# Altium PCB QTouch_test1.PcbDoc (part 1 of 2)
Units mm, origin at the board's own origin, x right, y up, seen from the top; angles counter-clockwise.
Board outline 145 x 145 mm, 2 copper layers (Top Layer, Bottom Layer), stack 1.635 mm thick; 121 components, 116 nets, 369 pads, 181 vias.
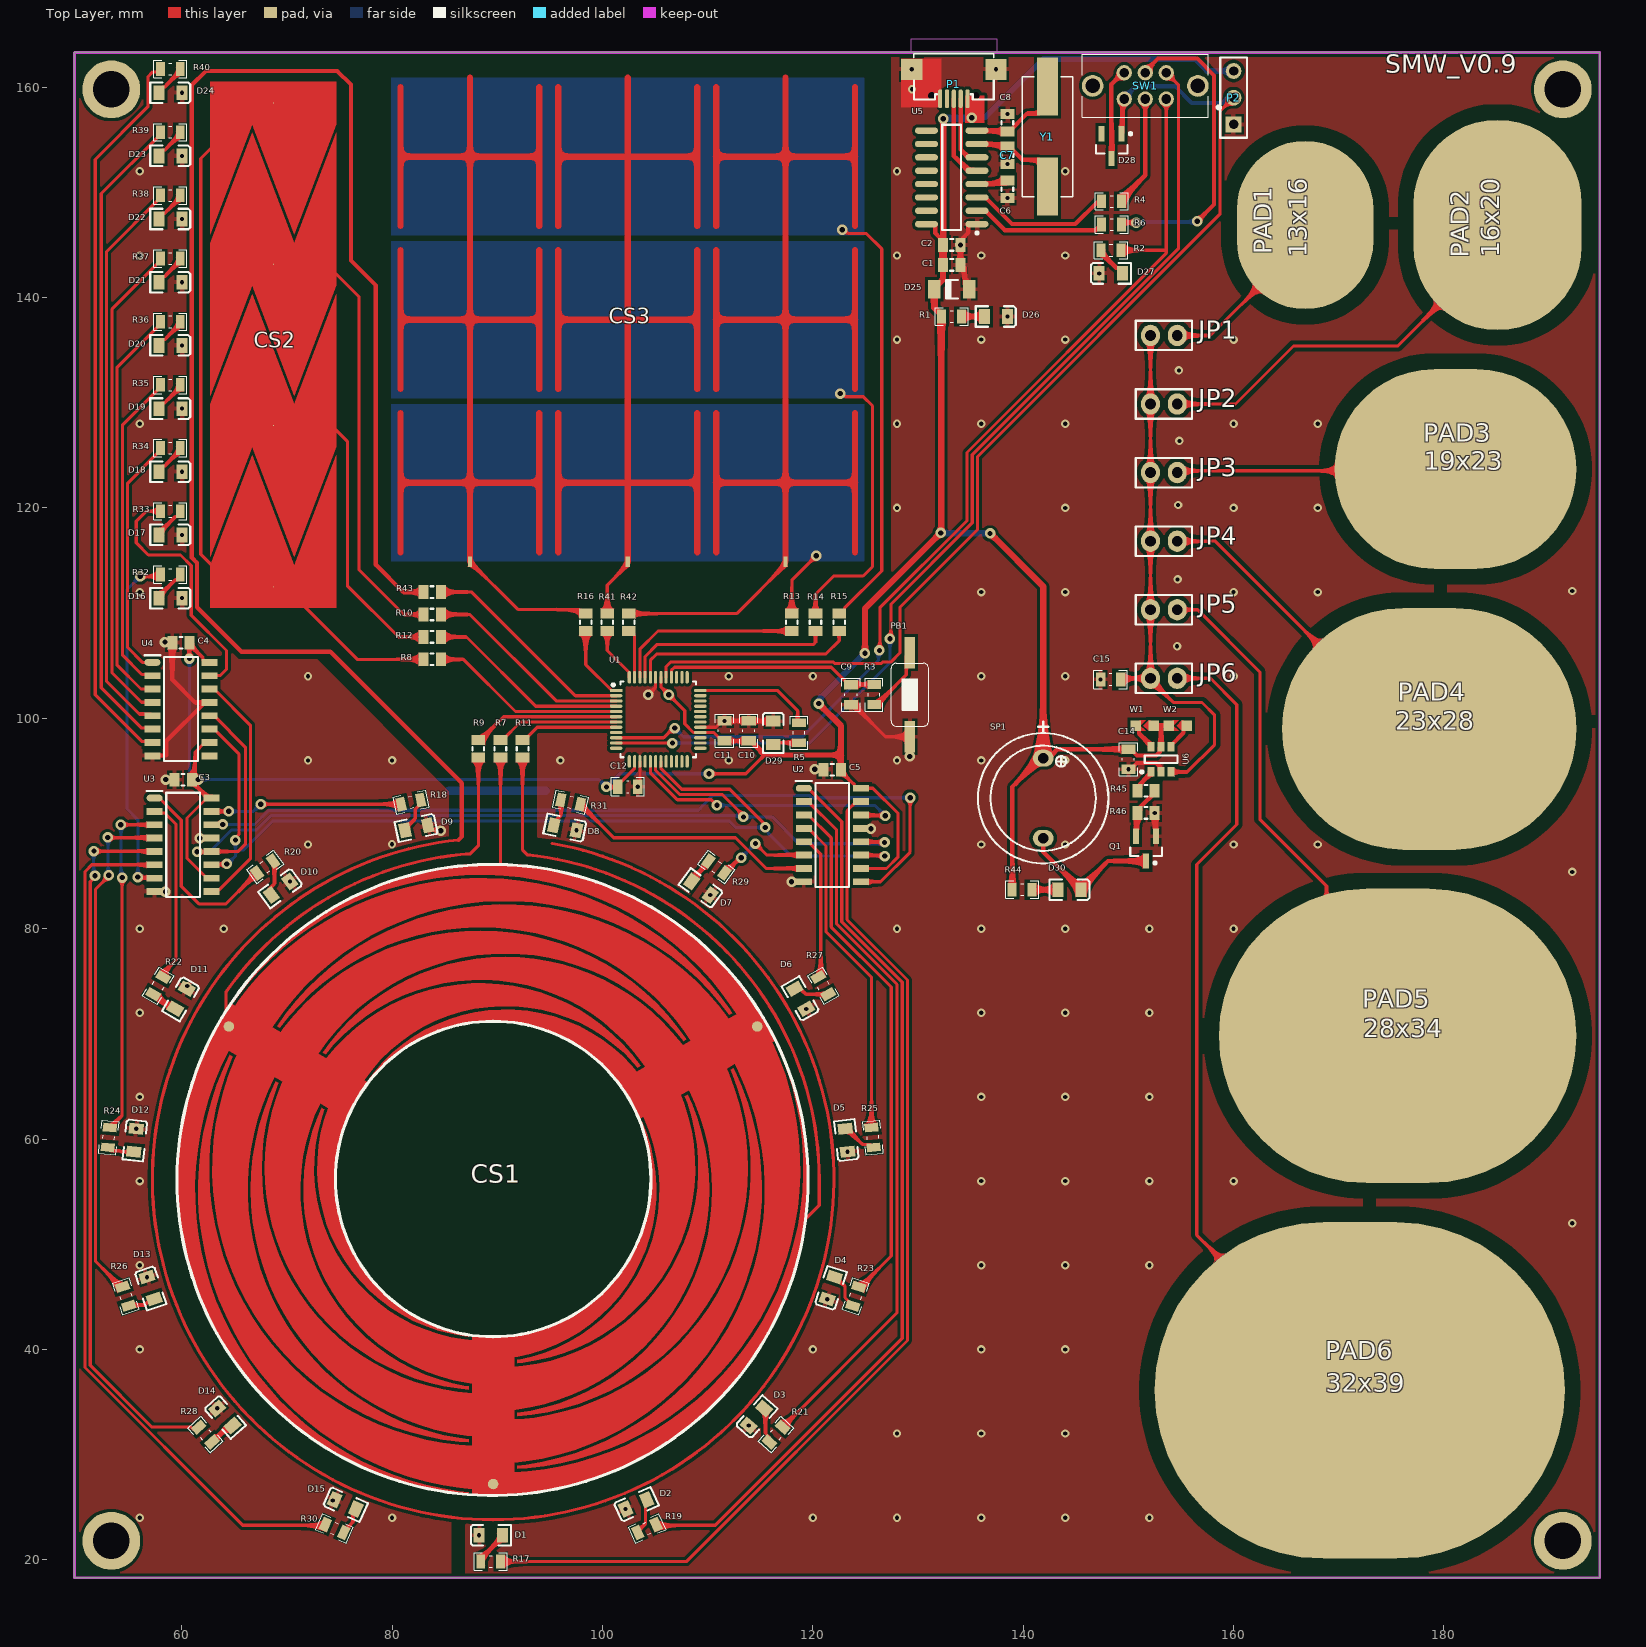
[diagram p0: Top Layer view]
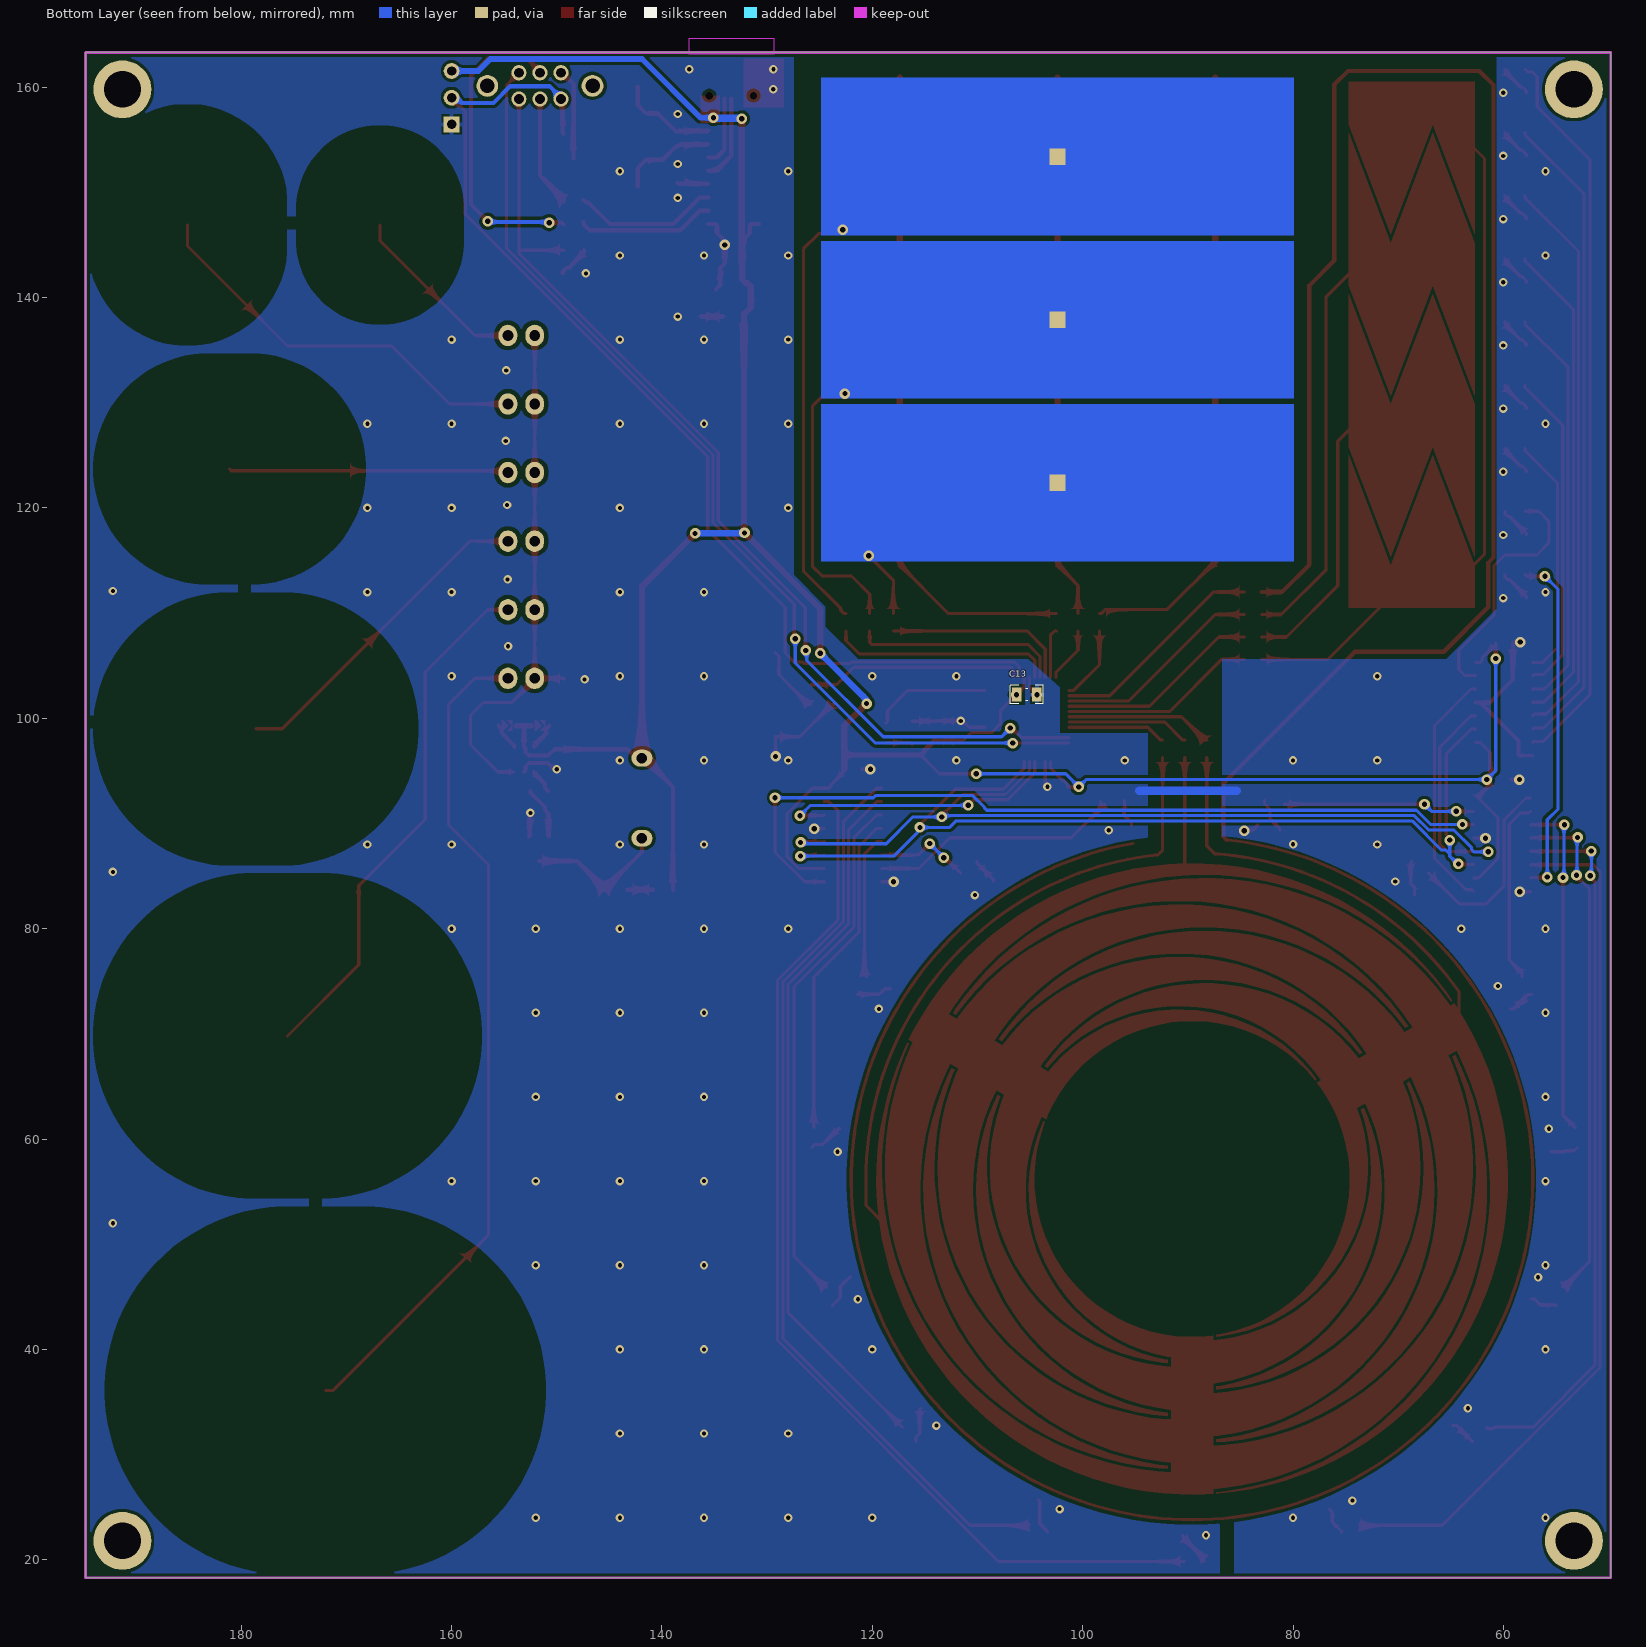
[diagram p1: Bottom Layer view, seen from below]
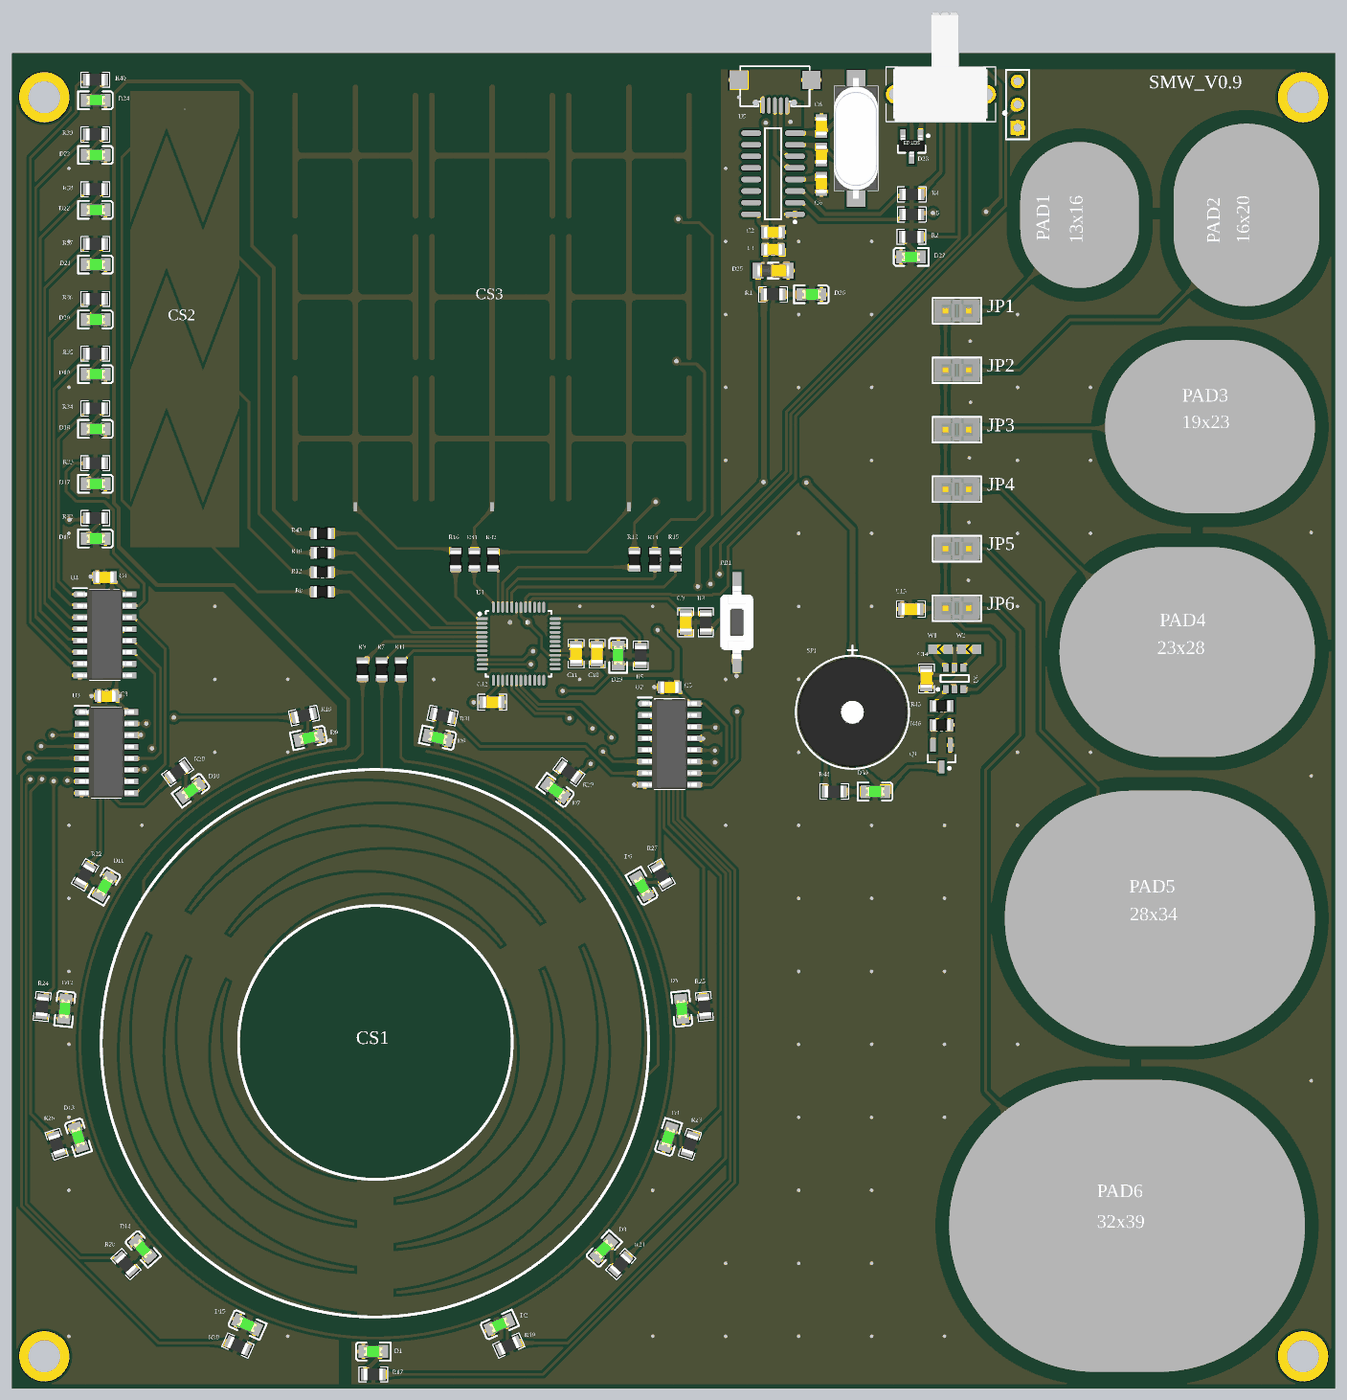
[diagram p3: 3D render of the assembled board from above, using the file's embedded part models]

## Layer stack, top to bottom
Top Solder: solder mask 0.0102, Solder Resist, Dk 3.5
Top Layer: signal copper 0.0175
Dielectric 1: dielectric 1.6, FR-4, Dk 4.8
Bottom Layer: signal copper 0.0175
Bottom Solder: solder mask 0.0102, Solder Resist, Dk 3.5

## Board outline
49.8,18.3 49.8,163.3 194.8,163.3 194.8,18.3

## Design rules (kind name [scope] priority, off if disabled: settings)
Clearance Clearance_1 [InNet('+5') vs (InComponent('p1') AND InNet('USB_D-'))] p1: gap=0.2 ignorepadtopadclearanceinfootprint=FALSE except(0: Arc-Hole Track-Hole SMDPad-Hole THPad-Hole Via-Hole Fill-Hole Poly-Hole Region-Hole Text-Hole)
Clearance clearance_touch [InNetClass('touch_pads')] p2: gap=0.4 ignorepadtopadclearanceinfootprint=FALSE except(0: Arc-Hole Track-Hole SMDPad-Hole THPad-Hole Via-Hole Fill-Hole Poly-Hole Region-Hole Text-Hole; 0.2: Arc-Arc Arc-Track Arc-SMDPad Arc-Text Track-Track Track-SMDPad Track-Text SMDPad-SMDPad SMDPad-THPad SMDPad-Text THPad-Text Via-Text Fill-Text Poly-Text Region-Text Text-Text; 0.3: Arc-THPad Arc-Via Track-THPad Track-Via SMDPad-Via THPad-THPad THPad-Via Via-Via)
Clearance [All] p3: gap=0.3 ignorepadtopadclearanceinfootprint=FALSE except(0: Arc-Hole Track-Hole SMDPad-Hole THPad-Hole Via-Hole Fill-Hole Poly-Hole Region-Hole Text-Hole; 0.2: Arc-Arc Arc-Track Arc-SMDPad Arc-Text Track-Track Track-SMDPad Track-Text SMDPad-SMDPad SMDPad-THPad SMDPad-Text THPad-Text Via-Text Fill-Text Poly-Text Region-Text Text-Text)
PolygonConnect [All] p1: thpad.connectstyle=Relief thpad.reliefconductorwidth=0.4 thpad.reliefentries=4 thpad.polygonreliefangle="90 Angle" thpad.airgapwidth=0.2 smdpad.connectstyle=Relief smdpad.reliefconductorwidth=0.4 smdpad.reliefentries=4 smdpad.polygonreliefangle="90 Angle" smdpad.airgapwidth=0.2 via.connectstyle=Direct via.reliefconductorwidth=0.254 via.reliefentries=4 via.polygonreliefangle="90 Angle" via.airgapwidth=0.254
RoomDefinition micro [InComponentClass('micro')] p1 off: confinementstyle=ConfineIn formatcopy=TRUE lockcomponents=FALSE outline 343.6,178.1 455.6,178.1 455.6,196.6 343.6,196.6
RoomDefinition LEDs [InComponentClass('LEDs')] p2 off: confinementstyle=ConfineIn formatcopy=TRUE lockcomponents=FALSE outline 358.4,205.6 390.277,205.6 390.277,211.95 358.4,211.95
RoomDefinition touch [InComponentClass('touch')] p3 off: confinementstyle=ConfineIn formatcopy=TRUE lockcomponents=FALSE outline 309.8,176.3 342.82,176.3 342.82,211.352 309.8,211.352
RoutingVias [All] p1: holewidth=0.711 width=1.27 viastyle="Through Hole" minholewidth=0.4 minwidth=0.8 maxholewidth=0.8 maxwidth=1.5
SolderMaskExpansion [All] p1: expansion=0.102 istentingtop=FALSE
Width [All] p1: maxlimit=0.8 minlimit=0.2 preferedwidth=0.2
30 further rules are at their usual default settings.

## Classes and differential pairs
net class touch_pads: NetC15_2 NetJP1_1 NetJP2_1 NetJP3_1 NetJP4_1 NetJP5_1 NetJP6_1
component class micro: C1 C2 C6 C7 C8 C9 C10 C11 C12 C13 D25 D26 D27 D28 D29 p1 P2 PB1 R1 R2 R3 R4 R5 R6 R43 SW1 U1 U5 Y1
component class LEDs: C3 C4 C5 D1 D2 D3 D4 D5 D6 D7 D8 D9 D10 D11 D12 D13 D14 D15 D16 D17 D18 D19 D20 D21 D22 D23 D24 R17 R18 R19 R20 R21 R22 R23 R24 R25 R26 R27 R28 R29 R30 R31 R32 R33 R34 R35 R36 R37 R38 R39 R40 U2 U3 U4
component class touch: C14 C15 CS1 CS2 CS3 D30 JP1 JP2 JP3 JP4 JP5 JP6 PAD1 PAD2 PAD3 PAD4 PAD5 PAD6 Q1 R7 R8 R9 R10 R11 R12 R13 R14 R15 R16 R41 R42 R44 R45 R46 SP1 U6 W1 W2

## Components (designator, comment, footprint, x,y, rotation, side; value= is the part's Value field where it differs from the comment)
C1 "100nF" SMD_CAP_0805 134.025,143.1 r180 top
C2 "22uF" SMD_CAP_0805 134.025,145 r180 top
C3 "100nF" SMD_CAP_0805 59.3,94.169 r0 top
C4 "100nF" SMD_CAP_0805 59.1,107.196 r0 top
C5 "100nF" SMD_CAP_0805 121.025,95.123 r0 top
C6 "10nF" SMD_CAP_0805 138.5,149.475 r90 top
C7 "22pF" SMD_CAP_0805 138.5,152.7 r90 top
C8 "22pF" SMD_CAP_0805 138.5,157.45 r270 top
C9 "cap 100nF" CAP0805 123.625,102.25 r90 top value=100nF
C10 "cap 100nF" CAP0805 113.9,98.8 r270 top value=100nF
C11 "cap 100nF" CAP0805 111.6,98.8 r270 top value=100nF
C12 "cap 100nF" CAP0805 102.4,93.5 r180 top value=100nF
C13 "cap 1uF" CAP0805 105.3,102.25 r0 bottom value=1uF
C14 "cap 100nF" CAP0805 150,96.1 r90 top value=100nF
C15 "cap 22pF" CAP0805 148.3,103.7 r0 top value=22pF
CS1 "Medium QTouch Wheel" ?#1 89.6,56.2 r60 top
CS2 "Medium QTouch Wheel" ?#2 68.7,135.5 r270 top
CS3 "QTouch 2D" "2D_TOUCH SURFACE" 102.4,137.9 r90 top
D1 "LED RED" "LED_0805 G" 89.372,22.327 r180 top
D2 "LED RED" "LED_0805 G" 103.201,25.266 r204 top
D3 "LED RED" "LED_0805 G" 114.639,33.577 r228 top
D4 "LED RED" "LED_0805 G" 121.708,45.82 r252 top
D5 "LED RED" "LED_0805 G" 123.186,59.881 r276 top
D6 "LED RED" "LED_0805 G" 118.817,73.327 r300 top
D7 "LED RED" "LED_0805 G" 109.357,83.834 r324 top
D8 "LED RED" "LED_0805 G" 96.441,89.584 r348 top
D9 "LED RED" "LED_0805 G" 82.303,89.584 r12 top
D10 "LED RED" "LED_0805 G" 69.387,83.834 r36 top
D11 "LED RED" "LED_0805 G" 59.927,73.327 r60 top
D12 "LED RED" "LED_0805 G" 55.558,59.881 r84 top
D13 "LED RED" "LED_0805 G" 57.036,45.82 r108 top
D14 "LED RED" "LED_0805 G" 64.105,33.577 r132 top
D15 "LED RED" "LED_0805 G" 75.543,25.266 r156 top
D16 "LED RED" "LED_0805 G" 58.922,111.423 r0 top
D17 "LED RED" "LED_0805 G" 58.922,117.429 r0 top
D18 "LED RED" "LED_0805 G" 58.922,123.435 r0 top
D19 "LED RED" "LED_0805 G" 58.922,129.441 r0 top
D20 "LED RED" "LED_0805 G" 58.922,135.447 r0 top
D21 "LED RED" "LED_0805 G" 58.922,141.453 r0 top
D22 "LED RED" "LED_0805 G" 58.922,147.459 r0 top
D23 "LED RED" "LED_0805 G" 58.922,153.465 r0 top
D24 "LED RED" "LED_0805 G" 58.922,159.471 r0 top
D25 "Diode Zener" "Diode 1n4148 SMD" 134.85,140.8 r180 top
D26 "LED GREEN" "LED_0805 G" 137.4,138.193 r0 top
D27 "LED RED" "LED_0805 G" 148.325,142.3 r180 top
D28 "BAT54C" SOT-23 148.4,154.4 r180 top
D29 "LED GREEN" "LED_0805 G" 116.225,98.625 r90 top
D30 "LED GREEN" "LED_0805 G" 144.4,83.7 r0 top
JP1 "Jumper" "Jumper Small - 2.54 - GRAY" 153.37,136.4 r180 top
JP2 "Jumper" "Jumper Small - 2.54 - GRAY" 153.37,129.88 r180 top
JP3 "Jumper" "Jumper Small - 2.54 - GRAY" 153.37,123.36 r180 top
JP4 "Jumper" "Jumper Small - 2.54 - GRAY" 153.37,116.84 r180 top
JP5 "Jumper" "Jumper Small - 2.54 - GRAY" 153.37,110.32 r180 top
JP6 "Jumper" "Jumper Small - 2.54 - GRAY" 153.37,103.8 r180 top
P1 "USB Connector" USB_AB_BM_SHS 133.4,160.3 r0 top (schematic designator p1)
P2 "Header 3" HDR1X3 160,156.46 r90 top
PAD1 "TouschPAD" TOUCHPAD1 166.8,146.9 r90 top
PAD2 "TouschPAD" TOUCHPAD2 185.1,146.9 r90 top
PAD3 "TouschPAD" TOUCHPAD3 181.1,123.7 r0 top
PAD4 "TouschPAD" TOUCHPAD4 178.6,99 r0 top
PAD5 "TouschPAD" TOUCHPAD5 175.6,69.8 r0 top
PAD6 "TouschPAD" TOUCHPAD6 172,36.1 r0 top
PB1 "Push-Button-tall" tack-sw-3x5x6 129.225,102.25 r90 top
Q1 "2N2222A" SOT23_M 151.675,87.6 r270 top
R1 "Res 1K" RES0805 133.2,138.2 r0 top value=1K
R2 "Res 1K" RES0805 148.35,144.5 r180 top value=1K
R3 "Res 330R" RES0805 125.825,102.25 r270 top value=330R
R4 "Res 1K" RES0805 148.4,149.15 r180 top value=1K
R5 "Res 1K" RES0805 118.675,98.625 r270 top value=1K
R6 "Res 1K" RES0805 148.4,146.95 r180 top value=1K
R7 "1K" "RES 0805 (2012X06L)" 90.3,96.275 r90 top
R8 "1K" "RES 0805 (2012X06L)" 82.975,105.6 r0 top
R9 "1K" "RES 0805 (2012X06L)" 88.2,96.275 r90 top
R10 "1K" "RES 0805 (2012X06L)" 82.975,109.867 r0 top
R11 "1K" "RES 0805 (2012X06L)" 92.4,96.275 r90 top
R12 "1K" "RES 0805 (2012X06L)" 82.975,107.733 r0 top
R13 "1K" "RES 0805 (2012X06L)" 118,109.95 r270 top
R14 "1K" "RES 0805 (2012X06L)" 120.25,109.95 r270 top
R15 "1K" "RES 0805 (2012X06L)" 122.5,109.95 r270 top
R16 "1K" "RES 0805 (2012X06L)" 98.4,109.95 r270 top
R17 "470R" RES0805 89.372,19.827 r0 top
R18 "470R" RES0805 81.783,92.029 r192 top
R19 "470R" RES0805 104.218,22.983 r24 top
R20 "470R" RES0805 67.918,85.856 r216 top
R21 "470R" RES0805 116.497,31.904 r48 top
R22 "470R" RES0805 57.762,74.577 r60 top
R23 "470R" RES0805 124.086,45.048 r72 top
R24 "470R" RES0805 53.072,60.142 r84 top
R25 "470R" RES0805 125.672,60.142 r96 top
R26 "470R" RES0805 54.659,45.048 r108 top
R27 "470R" RES0805 120.982,74.577 r120 top
R28 "470R" RES0805 62.247,31.904 r132 top
R29 "470R" RES0805 110.826,85.856 r324 top
R30 "470R" RES0805 74.526,22.983 r156 top
R31 "470R" RES0805 96.961,92.029 r348 top
R32 "470R" RES0805 58.906,113.679 r180 top
R33 "470R" RES0805 58.906,119.685 r180 top
R34 "470R" RES0805 58.906,125.691 r180 top
R35 "470R" RES0805 58.906,131.697 r180 top
R36 "470R" RES0805 58.906,137.703 r180 top
R37 "470R" RES0805 58.906,143.709 r180 top
R38 "470R" RES0805 58.906,149.715 r180 top
R39 "470R" RES0805 58.906,155.721 r180 top
R40 "470R" RES0805 58.906,161.727 r180 top
R41 "1K" "RES 0805 (2012X06L)" 100.45,109.95 r270 top
R42 "1K" "RES 0805 (2012X06L)" 102.5,109.95 r270 top
R43 "1K" "RES 0805 (2012X06L)" 84.625,112 r180 top
R44 "Res 470R" RES0805 139.9,83.707 r0 top value=470R
R45 "1K" "RES 0805 (2012X06L)" 150.85,93.1 r0 top
R46 "10K" "RES 0805 (2012X06L)" 150.85,91 r0 top
SP1 "BUZZER" "BUZZER 7.62mm DC" 141.9,92.4 r270 top
SW1 "Double Switch" switch_2way_DPDT_right 151.6,160.125 r180 top
U1 "AVR32DA48" TQPF48 105.3,99.9 r0 top
U2 "74HC595D" SOIC127P600X175-16N 121.925,89.125 r0 top
U3 "74HC595D" SOIC127P600X175-16N 60.2,88.2 r0 top
U4 "74HC595D" SOIC127P600X175-16N 60,101.1 r0 top
U5 "CH340G" SOIC16_N 133.2,151.425 r180 top
U6 "TTP223" SOT23-6_L 153.1,96.1 r90 top
W1 "Jumper" JUMPER 151.55,99.3 r180 top
W2 "Jumper" JUMPER 154.7,99.3 r180 top
Y1 "12MHz" XTAL_SMD 142.3,155.3 r90 top

## Footprints (in the part's own frame and the unit in brackets; to place one, negate y for a bottom-side part, rotate by r counter-clockwise, add the part's x,y. Pads: shape width x height; smd on the part's side, far side on the other; paste and mask are expansions set on the pad)
"2D_TOUCH SURFACE" [mm]
  rect 1.55x1.55 smd far side mask+0.102: 1(-15.5,0) 2(0,0) 3(15.5,0)
  rect 1x0.4 smd mask+0.102: 4(-23,15) 5(-23,0) 6(-23,-15)
  Top Layer lines w0.6: -22.1,21.6 -8.9,21.6 ; -15.5,21.6 -15.5,8.4 ; -6.6,21.6 6.6,21.6 ; 0,21.6 0,8.4 ; 8.9,21.6 22.1,21.6 ; 15.5,21.6 15.5,8.4 ; -23,15 -15.5,15 0,15 15.5,15 23,15 ; -22.1,8.4 -8.9,8.4 ; -6.6,8.4 6.6,8.4 ; 8.9,8.4 22.1,8.4 ; -22.1,6.6 -8.9,6.6 ; -15.5,6.6 -15.5,-6.6 ; -6.6,6.6 6.6,6.6 ; 0,6.6 0,-6.6 ; 8.9,6.6 22.1,6.6 ; 15.5,6.6 15.5,-6.6 ; -23,0 -15.5,0 0,0 15.5,0 23,0 ; -22.1,-6.6 -8.9,-6.6 ; -6.6,-6.6 6.6,-6.6 ; 8.9,-6.6 22.1,-6.6 ; -22.1,-8.4 -8.9,-8.4 ; -15.5,-8.4 -15.5,-21.6 ; -6.6,-8.4 6.6,-8.4 ; 0,-8.4 0,-21.6 ; 8.9,-8.4 22.1,-8.4 ; 15.5,-8.4 15.5,-21.6 ; -23,-15 -15.5,-15 0,-15 15.5,-15 23,-15 ; -22.1,-21.6 -8.9,-21.6 ; -6.6,-21.6 6.6,-21.6 ; 8.9,-21.6 22.1,-21.6
  Bottom Layer region: -23,-22.5 -8,-22.5 -8,22.5 -23,22.5
  Bottom Layer region: -7.5,-22.5 7.5,-22.5 7.5,22.5 -7.5,22.5
  Bottom Layer region: 8,-22.5 23,-22.5 23,22.5 8,22.5
"BUZZER 7.62mm DC" [mm] "BUZZER 12mm DIA , 7.62mm pitch DESIGNER ABBAS BASEREH"
  oval 1.6x2 hole 1: 1(-3.81,0) 2(3.81,0)
  silkscreen extent -7.3,-6.2 6.2,6.2, body extent -6,-6 6,6, height 9.5
CAP0805 [mm] "Chip Capacitor, 2-Leads, Body 2/00x1/25mm, IPC Medium Density DESIGNER:ABBAS BASEREH"
  rect 0.9x1.35 smd: 1(-0.95,0) 2(0.95,0)
  silkscreen extent -1.58,-0.87 1.58,0.87, body extent -1.02,-0.65 1.02,0.65, height 0.5
"Diode 1n4148 SMD" [mm] "Mini MELF SOD-80"
  rect 1.2x1.75 smd: 1(0,0) 2(3.3,0)
  silkscreen extent 1.04,-0.88 2.22,0.87, body extent -0.13,-0.75 3.37,0.75, height 1.55
HDR1X3 [mm] "Connector; Header; 3 Position"
  rect 1.5x1.5 hole 0.9: 1(0,0)
  round 1.5 hole 0.9: 2(2.54,0) 3(5.08,0)
  silkscreen extent -1.27,-1.27 6.35,1.27
JUMPER [mm]
  rect 1x1 smd mask+0.05: 1(-0.85,0) 2(0.85,0)
  Top Layer region: -0.375,0.5 0.125,0 -0.375,-0.5 -0.525,-0.5 -0.525,0.5
  Top Layer region: 0.475,0.05 0.475,-0.5 -0.075,-0.5
  Top Layer region: 0.475,0.5 -0.075,0.5 0.475,-0.05
"Jumper Small - 2.54 - GRAY" [mil]
  oval 70x80 hole 40: 1(-50,0) 2(50,0)
  silkscreen extent -105,-55 105,55, body extent -100,-50 100,50, height 337
"LED_0805 G" [mm]
  rect 1.05x1.4 smd: 1(-1.1,0) 2(1.1,0)
  silkscreen extent -1.91,-0.97 1.89,0.98, body extent -1,-0.62 1.02,0.63, height 1.1
RES0805 [mm] "Chip Resistor, 2-Leads, Body 2/00x1/25mm, IPC Medium Density DESIGNER:ABBAS BASEREH"
  rect 0.85x1.3 smd: 1(-0.95,0) 2(0.95,0)
  silkscreen extent -1.58,-0.82 1.58,0.82, body extent -1.02,-0.65 1.02,0.65, height 0.5
"RES 0805 (2012X06L)" [mm] "Chip Resistor, 2-Leads, Body 2.0x1.3mm, IPC High Density _ (0.100 W)"
  rect 0.95x1.3 smd: 1(0,0) 2(1.65,0)
  silkscreen extent 0.67,-0.55 0.97,0.55, body extent -0.19,-0.63 1.84,0.64, height 0.6
SMD_CAP_0805 [mm]
  rect 0.95x1.3 smd: 1(0,0) 2(1.65,0)
  silkscreen extent 0.67,-0.55 0.97,0.55, body extent -0.19,-0.63 1.84,0.63, height 0.65
SOIC16_N [mm] "SOIC, 16-Leads, Body 9.9x3.9mm, Pitch 1.27mm, IPC Medium Density"
  oval 2.2x0.6 smd: 1(-2.4,4.445) 2(-2.4,3.175) 3(-2.4,1.905) 4(-2.4,0.635) 5(-2.4,-0.635) 6(-2.4,-1.905) 7(-2.4,-3.175) 8(-2.4,-4.445) 9(2.4,-4.445) 10(2.4,-3.175) 11(2.4,-1.905) 12(2.4,-0.635) 13(2.4,0.635) 14(2.4,1.905) 15(2.4,3.175) 16(2.4,4.445)
  silkscreen extent -2.53,-5 0.9,5.42, body extent -2,-5 2,5, height 1.91
SOIC127P600X175-16N [mm]
  oval 1.525x0.65 smd: 1(-2.787,4.22)
  rect 1.525x0.65 smd: 2(-2.787,2.95) 3(-2.787,1.68) 4(-2.787,0.41) 5(-2.787,-0.86) 6(-2.787,-2.13) 7(-2.787,-3.4) 8(-2.787,-4.67) 9(2.637,-4.67) 10(2.637,-3.4) 11(2.637,-2.13) 12(2.637,-0.86) 13(2.637,0.41) 14(2.637,1.68) 15(2.637,2.95) 16(2.637,4.22)
  silkscreen extent -3.55,-5.18 1.53,4.89, body extent -3.09,-5.17 2.94,4.73, height 1.75
SOT23-6_L [mm] "SOT23, 6-Leads, Body 2.9x1.6mm, Pitch 0.95mm, Lead Span 2.7mm, IPC High Density"
  rect 0.9x0.65 smd: 1(-1.2,0.95) 2(-1.2,0) 3(-1.2,-0.95) 4(1.2,-0.95) 5(1.2,0) 6(1.2,0.95)
  silkscreen extent -1.32,-1.55 0.35,1.95, body extent -0.9,-1.55 0.9,1.55, height 1.45
SOT23_M [mm] "SOT23, 3-Leads, Body 2.9x1.3mm, Pitch 0.95mm, Lead Span 2.3mm - Reverse Pinning, IPC Low Density"
  rect 1.45x0.6 smd: 1(1.175,0) 2(-1.175,-0.95) 3(-1.175,0.95)
  silkscreen extent -0.1,-1.5 1.47,1.5, body extent -0.7,-1.5 0.7,1.5, height 1.1
SOT-23 [mm]
  rect 0.6x1.45 smd: 1(-0.95,-1.175) 2(0.95,-1.175) 3(0,1.175)
  silkscreen extent -1.92,-1.3 1.5,0.7, body extent -1.45,-1.23 1.45,1.07, height 1
switch_2way_DPDT_right [mm]
  round 1.447 hole 0.93: 1(-2,1.25) 2(0,1.25) 3(2,1.25) 4(2,-1.25) 5(0,-1.25) 6(-2,-1.25)
  round 2.07 hole 1.38: MH1(-5,0) MH2(5,0)
  silkscreen extent -7.05,-3 6,3, body extent -5.09,-9.05 5.21,2.95, height 5.07
tack-sw-3x5x6 [mm]
  rect 3x1 smd mask+0.05: 1(-4,0) 2(4,0)
  silkscreen extent -3,-1.78 3,1.78, body extent -4,-1.75 4,1.75, height 4.3
TOUCHPAD1 [mm]
  oval 16x13 smd mask+0.102: 1(0,0)
  Top Layer pour cut-out: -1.5,-8 -4.971,-7.208 -7.755,-4.988 -9.299,-1.78 -9.299,1.78 -7.755,4.988 -4.971,7.208 -1.5,8 -1.5,8 1.5,8 4.971,7.208 7.755,4.988 9.299,1.78 9.299,-1.78 7.755,-4.988 4.971,-7.208 1.5,-8 1.5,-8
  Bottom Layer pour cut-out: -1.5,-8 -4.971,-7.208 -7.755,-4.988 -9.299,-1.78 -9.299,1.78 -7.755,4.988 -4.971,7.208 -1.5,8 -1.5,8 1.5,8 4.971,7.208 7.755,4.988 9.299,1.78 9.299,-1.78 7.755,-4.988 4.971,-7.208 1.5,-8 1.5,-8
TOUCHPAD2 [mm]
  oval 20x16 smd mask+0.102: 1(0,0)
  Top Layer pour cut-out: -2,-9.5 -6.122,-8.559 -9.427,-5.923 -11.262,-2.114 -11.262,2.114 -9.427,5.923 -6.122,8.559 -2,9.5 -2,9.5 2,9.5 6.122,8.559 9.427,5.923 11.262,2.114 11.262,-2.114 9.427,-5.923 6.122,-8.559 2,-9.5 2,-9.5
  Bottom Layer pour cut-out: -2,-9.5 -6.122,-8.559 -9.427,-5.923 -11.262,-2.114 -11.262,2.114 -9.427,5.923 -6.122,8.559 -2,9.5 -2,9.5 2,9.5 6.122,8.559 9.427,5.923 11.262,2.114 11.262,-2.114 9.427,-5.923 6.122,-8.559 2,-9.5 2,-9.5
TOUCHPAD3 [mm]
  oval 23x19 smd mask+0.102: 1(0,0)
  Top Layer pour cut-out: -2,-11 -6.773,-9.911 -10.6,-6.858 -12.724,-2.448 -12.724,2.448 -10.6,6.858 -6.773,9.911 -2,11 -2,11 2,11 6.773,9.911 10.6,6.858 12.724,2.448 12.724,-2.448 10.6,-6.858 6.773,-9.911 2,-11 2,-11
  Bottom Layer pour cut-out: -2,-11 -6.773,-9.911 -10.6,-6.858 -12.724,-2.448 -12.724,2.448 -10.6,6.858 -6.773,9.911 -2,11 -2,11 2,11 6.773,9.911 10.6,6.858 12.724,2.448 12.724,-2.448 10.6,-6.858 6.773,-9.911 2,-11 2,-11
TOUCHPAD4 [mm]
  oval 28x23 smd mask+0.102: 1(0,0)
  Top Layer pour cut-out: -2.5,-13 -8.14,-11.713 -12.664,-8.105 -15.174,-2.893 -15.174,2.893 -12.664,8.105 -8.14,11.713 -2.5,13 -2.5,13 2.5,13 8.14,11.713 12.664,8.105 15.174,2.893 15.174,-2.893 12.664,-8.105 8.14,-11.713 2.5,-13 2.5,-13
  Bottom Layer pour cut-out: -2.5,-13 -8.14,-11.713 -12.664,-8.105 -15.174,-2.893 -15.174,2.893 -12.664,8.105 -8.14,11.713 -2.5,13 -2.5,13 2.5,13 8.14,11.713 12.664,8.105 15.174,2.893 15.174,-2.893 12.664,-8.105 8.14,-11.713 2.5,-13 2.5,-13
TOUCHPAD5 [mm]
  oval 34x28 smd mask+0.102: 1(0,0)
  Top Layer pour cut-out: -3,-15.5 3,-15.5 9.725,-13.965 15.118,-9.664 18.111,-3.449 18.111,3.449 15.118,9.664 9.725,13.965 3,15.5 3,15.5 -3,15.5 -9.725,13.965 -15.118,9.664 -18.111,3.449 -18.111,-3.449 -15.118,-9.664 -9.725,-13.965 -3,-15.5
  Bottom Layer pour cut-out: -3,-15.5 3,-15.5 9.725,-13.965 15.118,-9.664 18.111,-3.449 18.111,3.449 15.118,9.664 9.725,13.965 3,15.5 3,15.5 -3,15.5 -9.725,13.965 -15.118,9.664 -18.111,3.449 -18.111,-3.449 -15.118,-9.664 -9.725,-13.965 -3,-15.5
TOUCHPAD6 [mm]
  oval 39x32 smd mask+0.102: 1(0,0)
  Top Layer pour cut-out: -3.5,-17.5 3.5,-17.5 11.093,-15.767 17.182,-10.911 20.561,-3.894 20.561,3.894 17.182,10.911 11.093,15.767 3.5,17.5 3.5,17.5 -3.5,17.5 -11.093,15.767 -17.182,10.911 -20.561,3.894 -20.561,-3.894 -17.182,-10.911 -11.093,-15.767 -3.5,-17.5
  Bottom Layer pour cut-out: -3.5,-17.5 3.5,-17.5 11.093,-15.767 17.182,-10.911 20.561,-3.894 20.561,3.894 17.182,10.911 11.093,15.767 3.5,17.5 3.5,17.5 -3.5,17.5 -11.093,15.767 -17.182,10.911 -20.561,3.894 -20.561,-3.894 -17.182,-10.911 -11.093,-15.767 -3.5,-17.5
TQPF48 [mm] "QFN, 48-Leads, Body 7x7mm, Pitch 0.5mm, IPC Low Density"
  rect 1.2x0.3 smd mask+0.05: 1(-4,2.75)
  oval 1.2x0.3 smd mask+0.05: 2(-4,2.25) 3(-4,1.75) 4(-4,1.25) 5(-4,0.75) 6(-4,0.25) 7(-4,-0.25) 8(-4,-0.75) 9(-4,-1.25) 10(-4,-1.75) 11(-4,-2.25) 12(-4,-2.75) 25(4,-2.75) 26(4,-2.25) 27(4,-1.75) 28(4,-1.25) 29(4,-0.75) 30(4,-0.25) 31(4,0.25) 32(4,0.75) 33(4,1.25) 34(4,1.75) 35(4,2.25) 36(4,2.75)
  oval 0.3x1.2 smd mask+0.05: 13(-2.75,-4) 14(-2.25,-4) 15(-1.75,-4) 16(-1.25,-4) 17(-0.75,-4) 18(-0.25,-4) 19(0.25,-4) 20(0.75,-4) 21(1.25,-4) 22(1.75,-4) 23(2.25,-4) 24(2.75,-4) 37(2.75,4) 38(2.25,4) 39(1.75,4) 40(1.25,4) 41(0.75,4) 42(0.25,4) 43(-0.25,4) 44(-0.75,4) 45(-1.25,4) 46(-1.75,4) 47(-2.25,4) 48(-2.75,4)
  silkscreen extent -4.4,-3.6 3.6,3.6, body extent -3.57,-3.57 3.57,3.57, height 0.9
USB_AB_BM_SHS [mm] "USB Micro AB - Standard (Bottom mount), Shell SMT DESIGNER ABBAS BASEREH"
  oval 0.4x1.8 smd: 1(1.3,-1.4) 2(0.65,-1.4) 3(0,-1.4) 4(-0.65,-1.4) 5(-1.3,-1.4)
  rect 2x2 smd: 5(-4,1.4) 5(4,1.4)
  round 0 hole 0.7: H(-2.1,-1.1) H(2.1,-1.1)
  Keep-Out Layer board cut-out: -4.064,2.9 -4.064,4.291 4.064,4.291 4.064,2.9
  silkscreen extent -3.8,-1.47 3.8,2.9, body extent -4,-1.78 4,4.26, height 2.75
XTAL_SMD [mm]
  rect 5.5x2 smd: 1(-4.75,0) 2(4.75,0)
  silkscreen extent -5.7,-2.4 5.7,2.4, body extent -6.6,-2.39 6.6,2.41, height 4.3
?#1 [mm]
  round 1 smd paste-0.5 mask+0.102: 1(25.115,-14.5) 2(0,29) 3(-25.115,-14.5)
  Top Layer region: 461 vertices and 0 holes, not listed, extent -22.713,-28.615 30.012,29.913
  Top Layer region: 460 vertices and 0 holes, not listed, extent -30.012,-12.968 28.04,30.012
  Top Layer region: 458 vertices and 0 holes, not listed, extent -29.19,-30.012 24.756,27.562
?#2 [mm]
  round 0.1 smd paste+0 mask+0.102: 1(-23,0)
  round 0.1 smd paste-0.05 mask+0.102: 1(23,0) 2(-7.667,0) 3(7.667,0)
  Top Layer region: 10.509,6 25,6 25,-6 21,-6 10.509,-2 21,2 10.509,6 10.509,6
  Top Layer region: -4.825,6 9.667,6 20.158,2 9.667,-2 20.158,-6 5.667,-6 -4.825,-2 5.667,2 -4.825,6 -4.825,6
  Top Layer region: -20.158,6 -5.667,6 4.825,2 -5.667,-2 4.825,-6 -9.667,-6 -20.158,-2 -9.667,2 -20.158,6 -20.158,6
  Top Layer region: -25,6 -21,6 -10.509,2 -21,-2 -10.509,-6 -25,-6 -25,6

## Part data
C1 C2 C3 C4 C5 C6 C7 C8: library part Cap, "CAP SMD 0805", LatestRevisionDate=17-Jul-2002, LatestRevisionNote="Re-released for DXP Platform.", PackageDescription="Radial Cap, Thru-Hole; 2 Leads; 0.3 in Pin Spacing", PackageReference=RAD-0.3, Published=8-Jun-2000, Publisher="Altium Limited"
C9 C10 C11 C12 C13 C14 C15: library part "Cap ceramic", "CAP seramic"
CS1 CS2: library part MediumQTouchWheel, ConfiguratorName=ATMEL_TOUCH
  CS1: ConfigurationParameters==__sensorid[8]=odiameter[30]=idiameter[10]=gapthickness[0.3]=
  CS2: ConfigurationParameters==__sensorid[4]=width[60]=height[12]=gapthickness[0.3]=
CS3: library part "Header 6", "3 by 3 2D touch surface", LatestRevisionDate=17-Jul-2002, LatestRevisionNote="Re-released for DXP Platform.", Publisher="Altium Limited"
D1 D2 D3 D4 D5 D6 D7 D8 D9 D10 D11 D12 D13 D14 D15 D16 D17 D18 D19 D20 D21 D22 D23 D24 D27: library part LED0, "LED SMD 0805 RED", LatestRevisionDate=08-Jul-2005, LatestRevisionNote="Mech Layer 1 removed.", PackageDescription="LED; 2 Leads", PackageReference=LED-0, Published=8-Jun-2000, Publisher="Altium Limited"
D25: "Zener Diode", Voltage="5.1 V", Company=E.P.I.L, Design Date=2011/11/02, Designer="Saeid Jorablo"
D26 D29 D30: library part LED0, "LED SMD 0805 GREEN", LatestRevisionDate=08-Jul-2005, LatestRevisionNote="Mech Layer 1 removed.", PackageDescription="LED; 2 Leads", PackageReference=LED-0, Published=8-Jun-2000, Publisher="Altium Limited"
P1: library part "USB MICRO", "USB Connector MICRO-B Type", Max Current=1600mA, Category=Connector, ComponentLink1Description=Datasheet, ComponentLink2Description=Reference, Designer="ABBAS BASEREH", Mounting Technology="Surface Mount\Through-Hole", Pin Count=5-7, Publisher="ABBAS BASEREH", Status=Unreleased, Update=1395-11-17
P2: "Header, 3-Pin", LatestRevisionDate=17-Jul-2002, LatestRevisionNote="Re-released for DXP Platform.", Publisher="Altium Limited"
PAD1 PAD2 PAD3 PAD4 PAD5 PAD6: library part "Test Point"
Q1: "Transistor BJT NPN SMD", Manufacturer_Name="Foshan Blue Rocket Elec", Datasheet Link=https://datasheet.lcsc.com/szlcsc/1901291437_Foshan-Blue-Rocket-Elec-2N2222A_C358533.pdf, Height=4.7mm, Manufacturer_Part_Number=2N2222A
R1 R2 R3 R4 R5 R6 R7 R8 R9 R10 R11 R12 R13 R14 R15 R16 R41 R42 R43 R44 R45 R46: library part Res1, "Resistor", LatestRevisionDate=17-Jul-2002, LatestRevisionNote="Re-released for DXP Platform.", PackageDescription="Axial Device, Thru-Hole; 2 Leads; 0.3 in Pin Spacing", PackageReference=AXIAL-0.3, Published=8-Jun-2000, Publisher="Altium Limited"
R17 R18 R19 R20 R21 R22 R23 R24 R25 R26 R27 R28 R29 R30 R31 R32 R33 R34 R35 R36 R37 R38 R39 R40: library part Resistor, "RES SMD 0603", Part Number=RCS0805100KFKEA
SP1: library part "PIEZO BUZZER", "PIEZO BUZZER 5VOLTS", Comment_1="SPEAKER AND BEEP", ComponentLink2Description=Reference, Design Date=1395/11/14, Designer="Abbas Basereh", Mounting Technology=THD, PackageDescription=THD, Pin Count=2, Publisher="Abbas Basereh", Status=Unreleased
SW1: library part "Switch - DPDT", "DPDT Switch"
U2 U3 U4: "74HC595 SMD", Manufacturer_Name=Nexperia, Mouser Part Number=N/A, Datasheet Link=https://componentsearchengine.com/Datasheets/2/74HC595D.pdf, Height=1.75mm, Manufacturer_Part_Number=74HC595D, Mouser Price/Stock=https://www.mouser.com/Search/Refine.aspx?Keyword=N%2FA
U5: "USB Interface Integrated Circuit", Package=None, Availability="Not in stock", Check_prices=https://www.snapeda.com/parts/Ch340G/WCH/view-part/?ref=eda, MF=WCH, MP=Ch340G, Price=None, SnapEDA_Link=https://www.snapeda.com/parts/Ch340G/WCH/view-part/?ref=snap
U6: library part ttp223b, "capacitive touch IC"
W1 W2: "Jumper Wire", LatestRevisionDate=17-Jul-2002, LatestRevisionNote="Re-released for DXP Platform.", PackageDescription="Radial Cap, Thru-Hole; 2 Leads; 0.2 in Pin Spacing", PackageReference=RAD-0.2, Published=24-Mar-1999, Publisher="Altium Limited"
Y1: library part CRYSTAL, "Crystal"
JP1 JP2 JP3 JP4 JP5 JP6: Company=E.P.I.L, Defualt State=Close, Design Date=2011/11/02

## Free pads (board coordinates)
  round 5.5 hole 3.5: S(53.3,21.8) S(53.3,159.8) S(191.3,21.8) S(191.3,159.8)

## Via types
v1: diameter 0.8, hole 0.4, Top Layer to Bottom Layer, tented both sides, 127 vias
v2: diameter 1, hole 0.5, Top Layer to Bottom Layer, tented both sides, 54 vias

## Nets (pads, with @x,y where several pads share a name; then routed paths per layer and width w, separated by ;. In a path a pad name is that pad's centre, name@x,y a point inside that pad or via, vN(x,y) a via of type N, cw(c..) or ccw(c..) an arc to the next point about the centre after c; other vN are vias at no path point)
2D_X1: CS3.4 R16.1 | length 13.1
  Top Layer w0.3: CS3.4@87.4,114.9 91.95,110.35 97.825,110.35 98.225,109.95 R16.1@98.4,109.95
2D_X2: CS3.5 R41.1 | length 5.8
  Top Layer w0.3: R41.1@100.45,109.95 100.45,112.65 102.4,114.6 CS3.5@102.4,114.9
2D_X3: CS3.6 R42.1 | length 17.1
  Top Layer w0.3: R42.1@102.5,109.95 112.75,109.95 117.4,114.6 CS3.6@117.4,114.9
2D_Y1: CS3.1 R13.1 | length 6.5
  Top Layer w0.3: R13.1@118,109.95 118,113.125 v2(120.325,115.45)
2D_Y2: CS3.2 R14.1 | length 27.2
  Top Layer w0.3: R14.1@120.25,109.95 120.25,111.8 121.975,113.525 124.775,113.525 125.675,114.425 125.675,129.7 124.8,130.575 123.089,130.575 122.789,130.875 v2(122.6,130.875)
2D_Y3: CS3.3 R15.1 | length 41
  Top Layer w0.3: R15.1@122.5,109.95 122.675,109.95 123,110.275 123,110.45 126.55,114 126.55,144.625 125.1,146.075 123.326,146.075 122.951,146.45 v2(122.8,146.45)
+5: C1.2 C2.2 C3.2 C4.2 C5.2 C10.2 C11.2 C12.2 C13.2 C14.2 D25.2 P1.1 P1.H@135.5,159.2 P2.3 R1.1 R44.1 SP1.1 U1.14 U1.28 U1.42 U2.10 U2.16 U3.10 U3.16 U4.10 U4.16 U5.16 U6.5 W1.1 W2.2 | length 290
  Top Layer w0.3: v2(60.725,105.675) C4.2@60.725,107.171 ; C4.2@60.75,107.196 60.75,107.021 62.025,105.746 62.025,105.495 62.2,105.32 U4.16@62.637,105.32 ; C3.2@61.172,93.772 62.225,92.719 62.225,92.595 62.4,92.42 60.5,90.52 60.5,86.7 62.4,84.8 U3.10@62.837,84.8 ; C3.2@61.275,94.494 61.275,96.775 62.2,97.7 U4.10@62.637,97.7 ; v2(100.375,93.475) 101.425,93.475 C12.2@101.45,93.5 101.45,93.725 101.75,94.025 101.832,94.025 103.05,95.243 U1.14@103.05,95.9 ; U1.42@105.55,103.9 105.55,103 v2(106.3,102.25) 107.825,100.725 107.825,99.468 108.643,98.65 U1.28@109.3,98.65 110.575,98.65 111.375,97.85 C11.2@111.6,97.85 C10.2@113.9,97.85 ; v2(110.125,94.725) 113.614,94.725 115.389,96.5 ; C5.2@122.675,95.123 122.675,94.948 123.95,93.673 123.95,93.52 124.125,93.345 U2.16@124.562,93.345 125.705,93.345 128.1,90.95 128.1,86.829 126.996,85.725 U2.10@124.562,85.725
  Top Layer w0.4: U5.16@130.8,146.98 131.546,146.98 131.638,146.888 131.638,146.142 132.1,145.68 132.1,145.275 C2.2@132.375,145 ; R1.1@132.125,138.55 132.25,138.425 R1.1@132.25,138.2 ; P1.1@134.7,158.9 134.7,157.611 135.1,157.211 v2(135.1,157.1) ; R44.1@138.95,83.707 138.95,93.46 141.7,96.21 SP1.1@141.9,96.21 142.4,96.21 143.24,97.05 C14.2@150,97.05 150.225,97.05 150.825,96.45 152.641,96.45 152.975,96.784 152.975,97.175 U6.5@153.1,97.3 153.1,99.275 153.125,99.3
  Top Layer w0.5: C10.2@113.9,97.85 114.125,97.85 115.032,96.943 115.032,96.856 115.389,96.5 122.675,96.5 ; W1.1@152.4,99.3 153.125,99.3 W2.2@153.85,99.3
  Top Layer w0.6: v2(120.55,101.4) 122.675,99.275 122.675,96.5 C5.2@122.675,95.123 ; v2(124.95,106.175) 124.95,110.425 v2(132.15,117.625) 132.2,117.675 132.2,138.15 R1.1@132.25,138.2 ; R1.1@132.125,138.55 132.025,138.55 131.55,139.025 D25.2@131.55,140.8 131.55,141.075 131.85,141.375 132.024,141.375 132.375,141.726 C1.2@132.375,143.1 C2.2@132.375,145 132.4,145.025 v2(132.4,157) ; v2(136.85,117.575) 141.9,112.525 SP1.1@141.9,96.21
  Bottom Layer w0.3: v2(60.725,105.675) 60.725,95.025 v2(61.575,94.175) 99.675,94.175 v2(100.375,93.475) 101.625,94.725 v2(110.125,94.725)
  Bottom Layer w0.4: v2(132.4,157) v2@132.45,157.05 ; v2@135.05,157.05 v2(135.1,157.1)
  Bottom Layer w0.55: v2(135.1,157.1) 136.325,157.1 141.898,162.673 156.328,162.673 157.462,161.54 P2.3@160,161.54
  Bottom Layer w0.6: v2(120.55,101.4) 120.55,101.775 v2(124.95,106.175) ; v2(132.15,117.625) 132.175,117.6 136.825,117.6 v2(136.85,117.575)
  Bottom Layer w0.7: v2@132.45,157.05 v2@135.05,157.05
DO_1: U2.9 U3.14 | length 78.7
  Top Layer w0.3: U3.14@62.837,89.88 62.85,89.893 63.881,89.893 v2(63.894,89.906) ; U2.9@124.562,84.455 126.433,84.455 129.25,87.272 v2(129.25,92.45)
  Bottom Layer w0.3: v2(63.894,89.906) 66.918,89.906 68.262,91.25 109.124,91.25 109.325,91.451 109.325,91.519 110.481,92.675 119.659,92.675 119.884,92.45 v2(129.25,92.45)
DO_2: U3.9 U4.14 | length 23
  Top Layer w0.3: U4.14@62.637,102.78 63.075,102.78 66.55,99.305 66.55,86.7 63.555,83.705 63.012,83.705 U3.9@62.837,83.53
DO_3: U4.9
DTR: U5.13